# Altium PCB nova34.PcbDoc (part 1 of 4)
Units mm, origin at the board's own origin, x right, y up, seen from the top; angles counter-clockwise.
Board outline 34.12 x 31.07 mm, 8 copper layers (Top Layer, Int1 (Sign), Int2 (GND), Int3 (Sign), Int4 (Sign), Int5 (PWR), Int6 (Sign), Bottom Layer), stack 1.535 mm thick; 261 components, 284 nets, 1188 pads, 341 vias.
Unrouted connection lines stored in the file: 171.
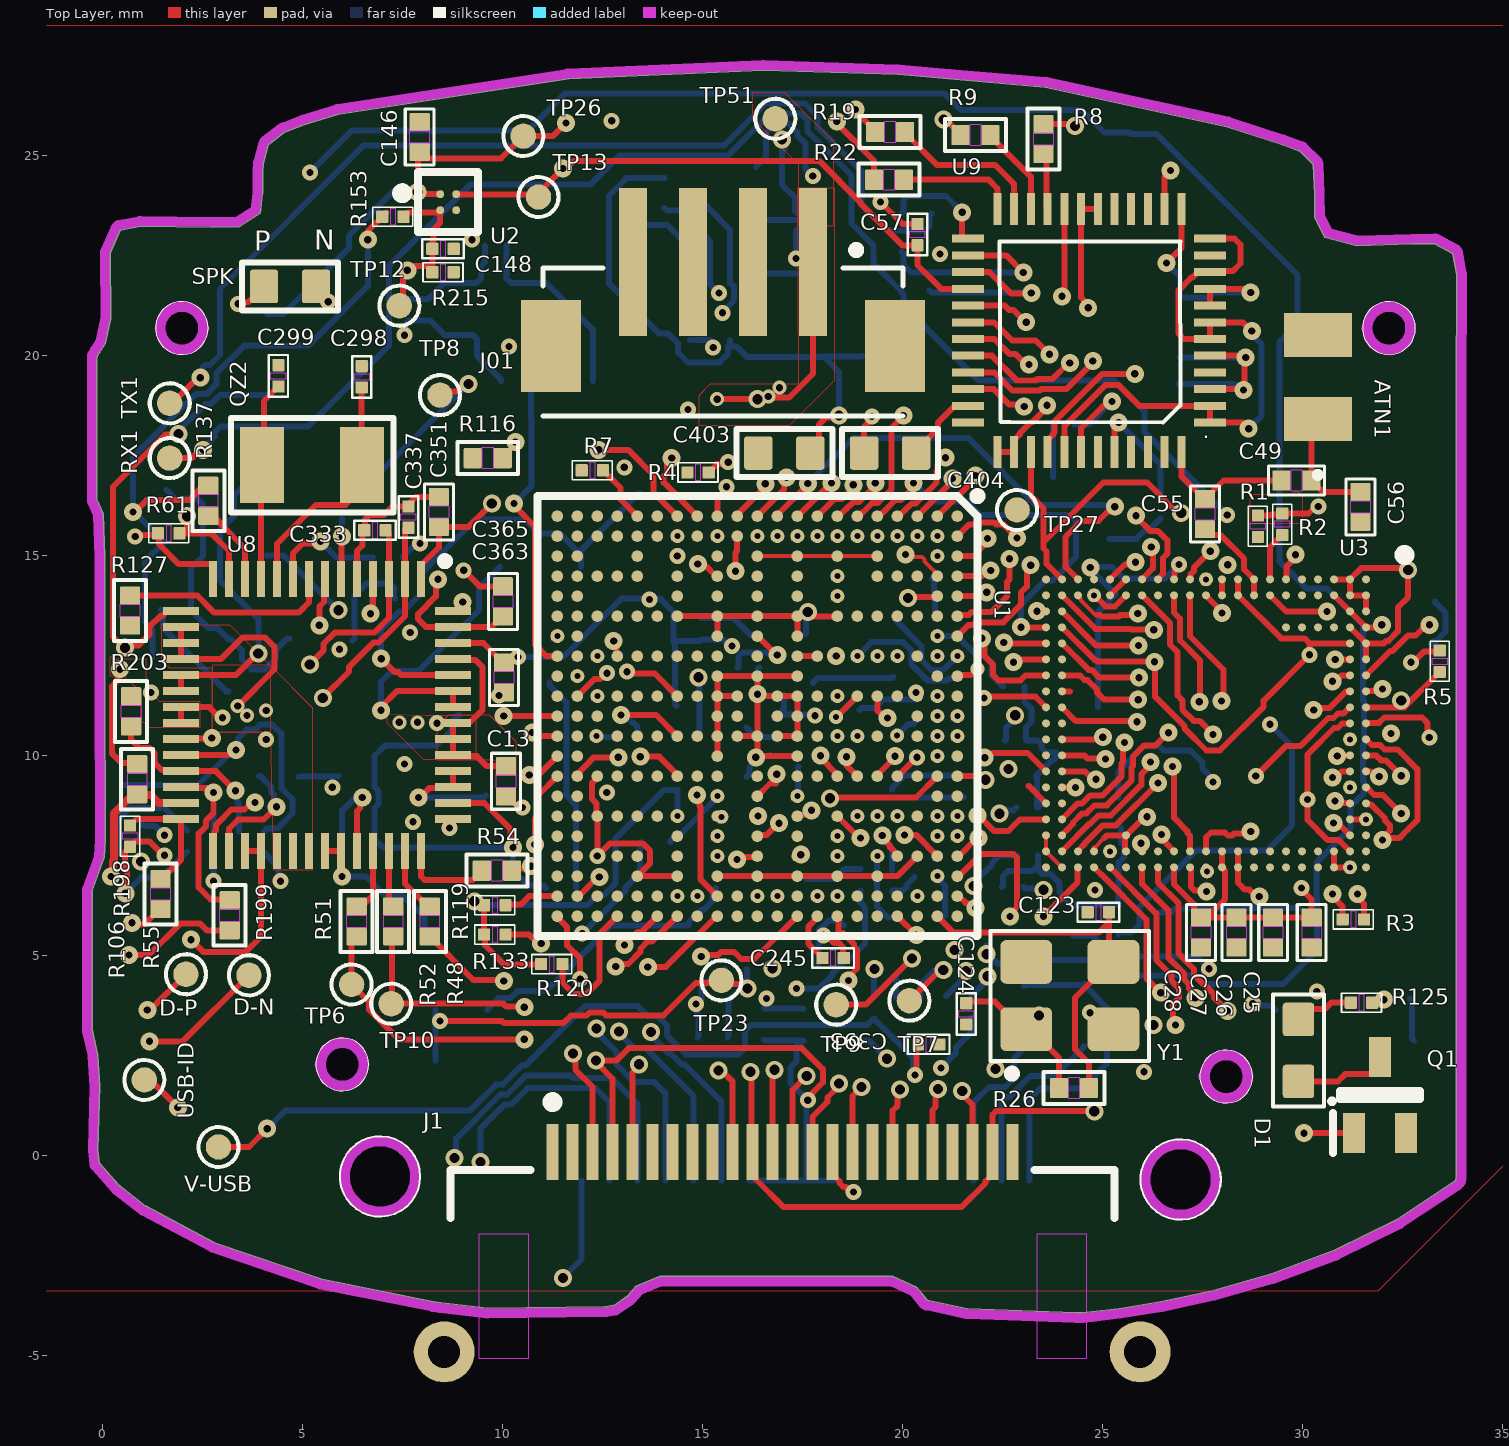
[diagram p0: Top Layer view]
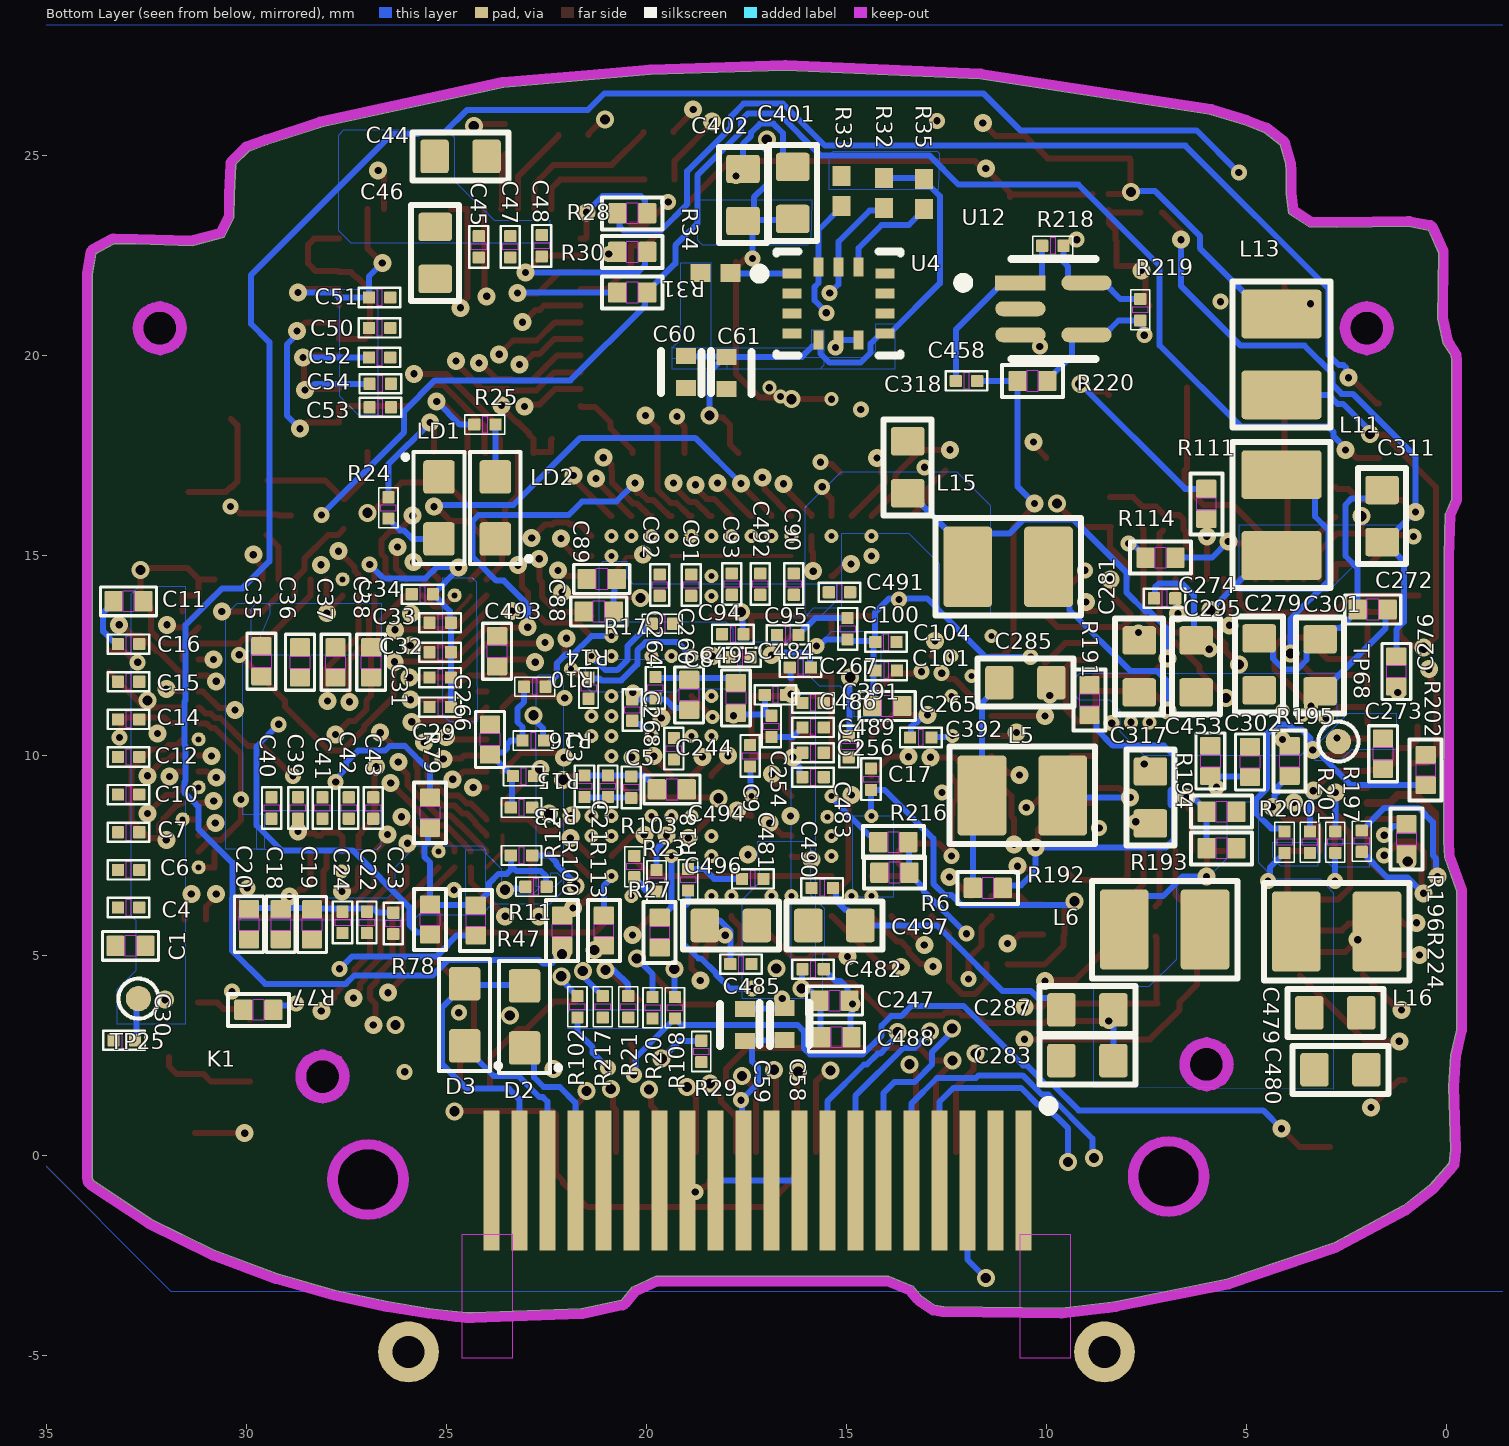
[diagram p1: Bottom Layer view, seen from below]
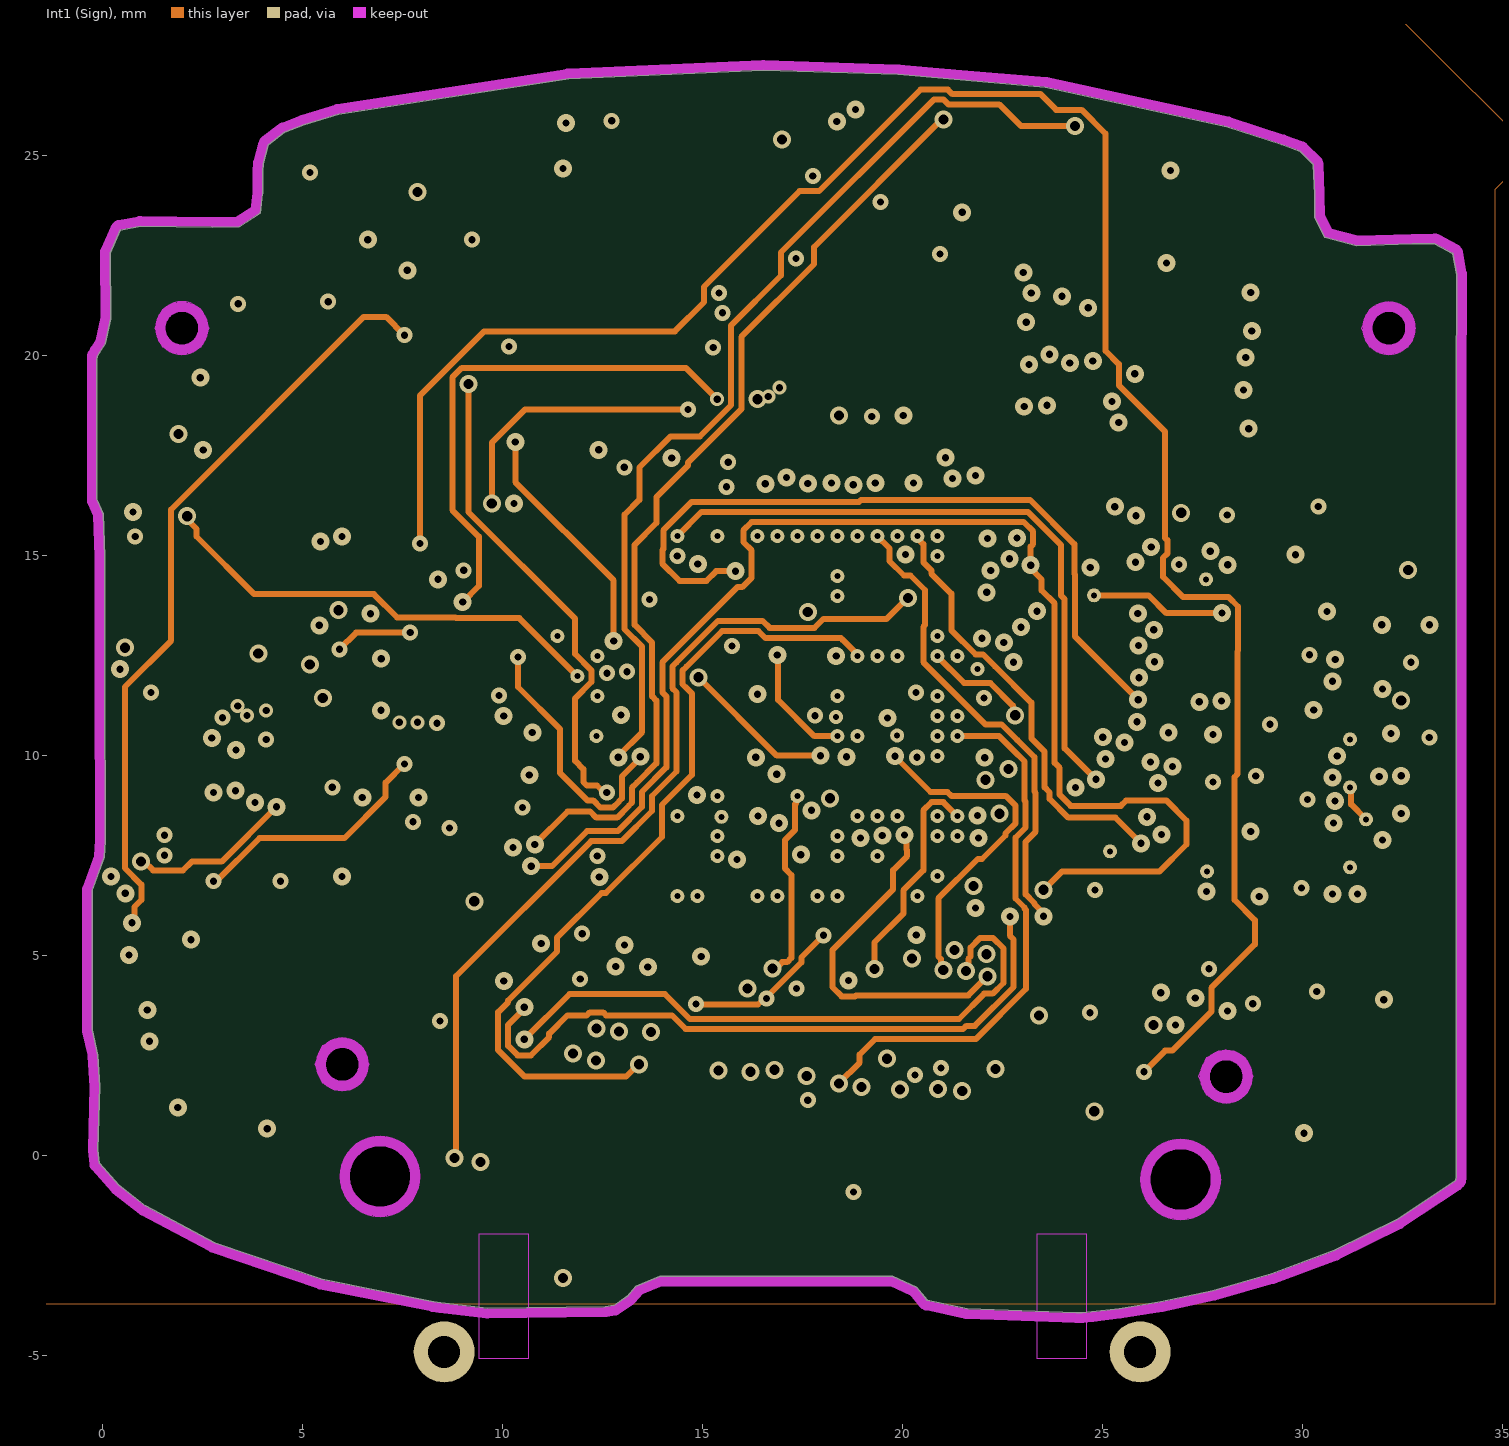
[diagram p2: Int1 (Sign)]
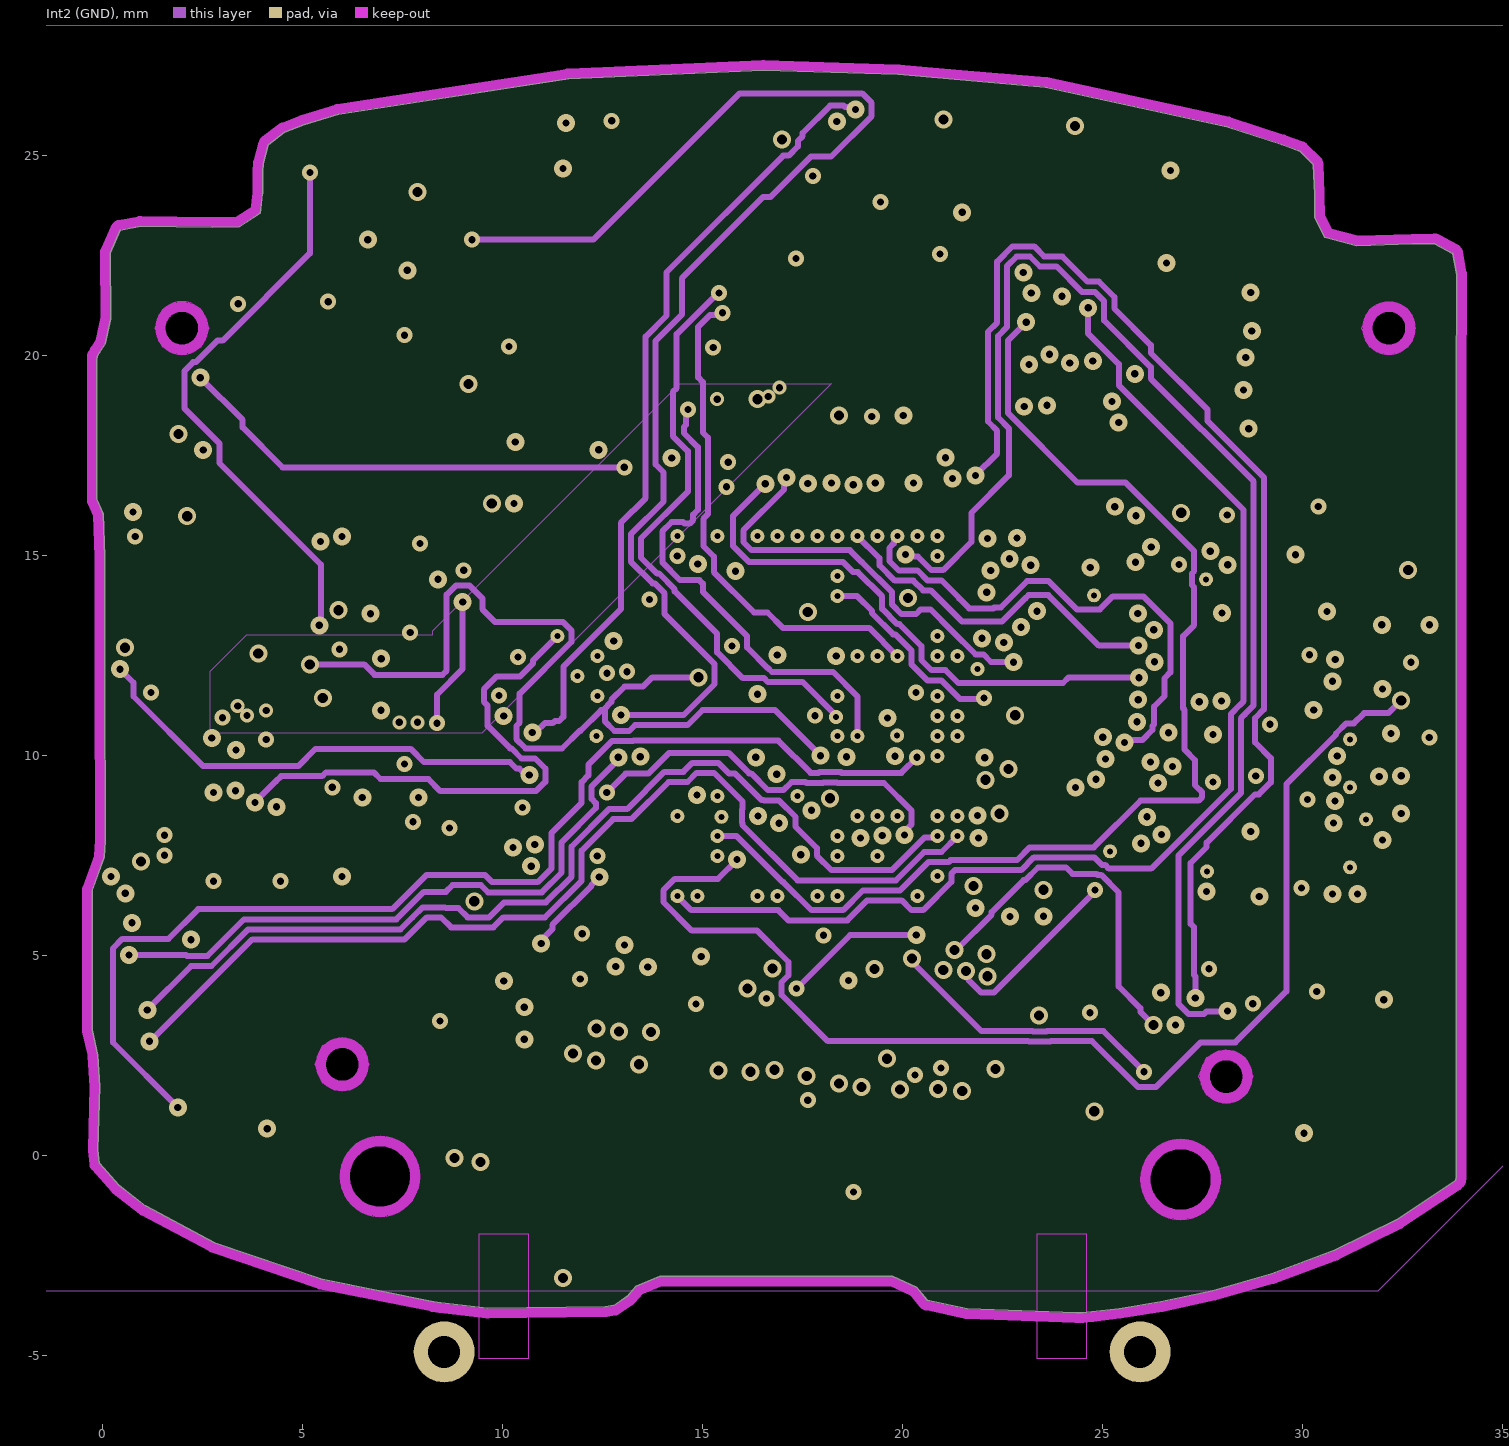
[diagram p3: Int2 (GND)]
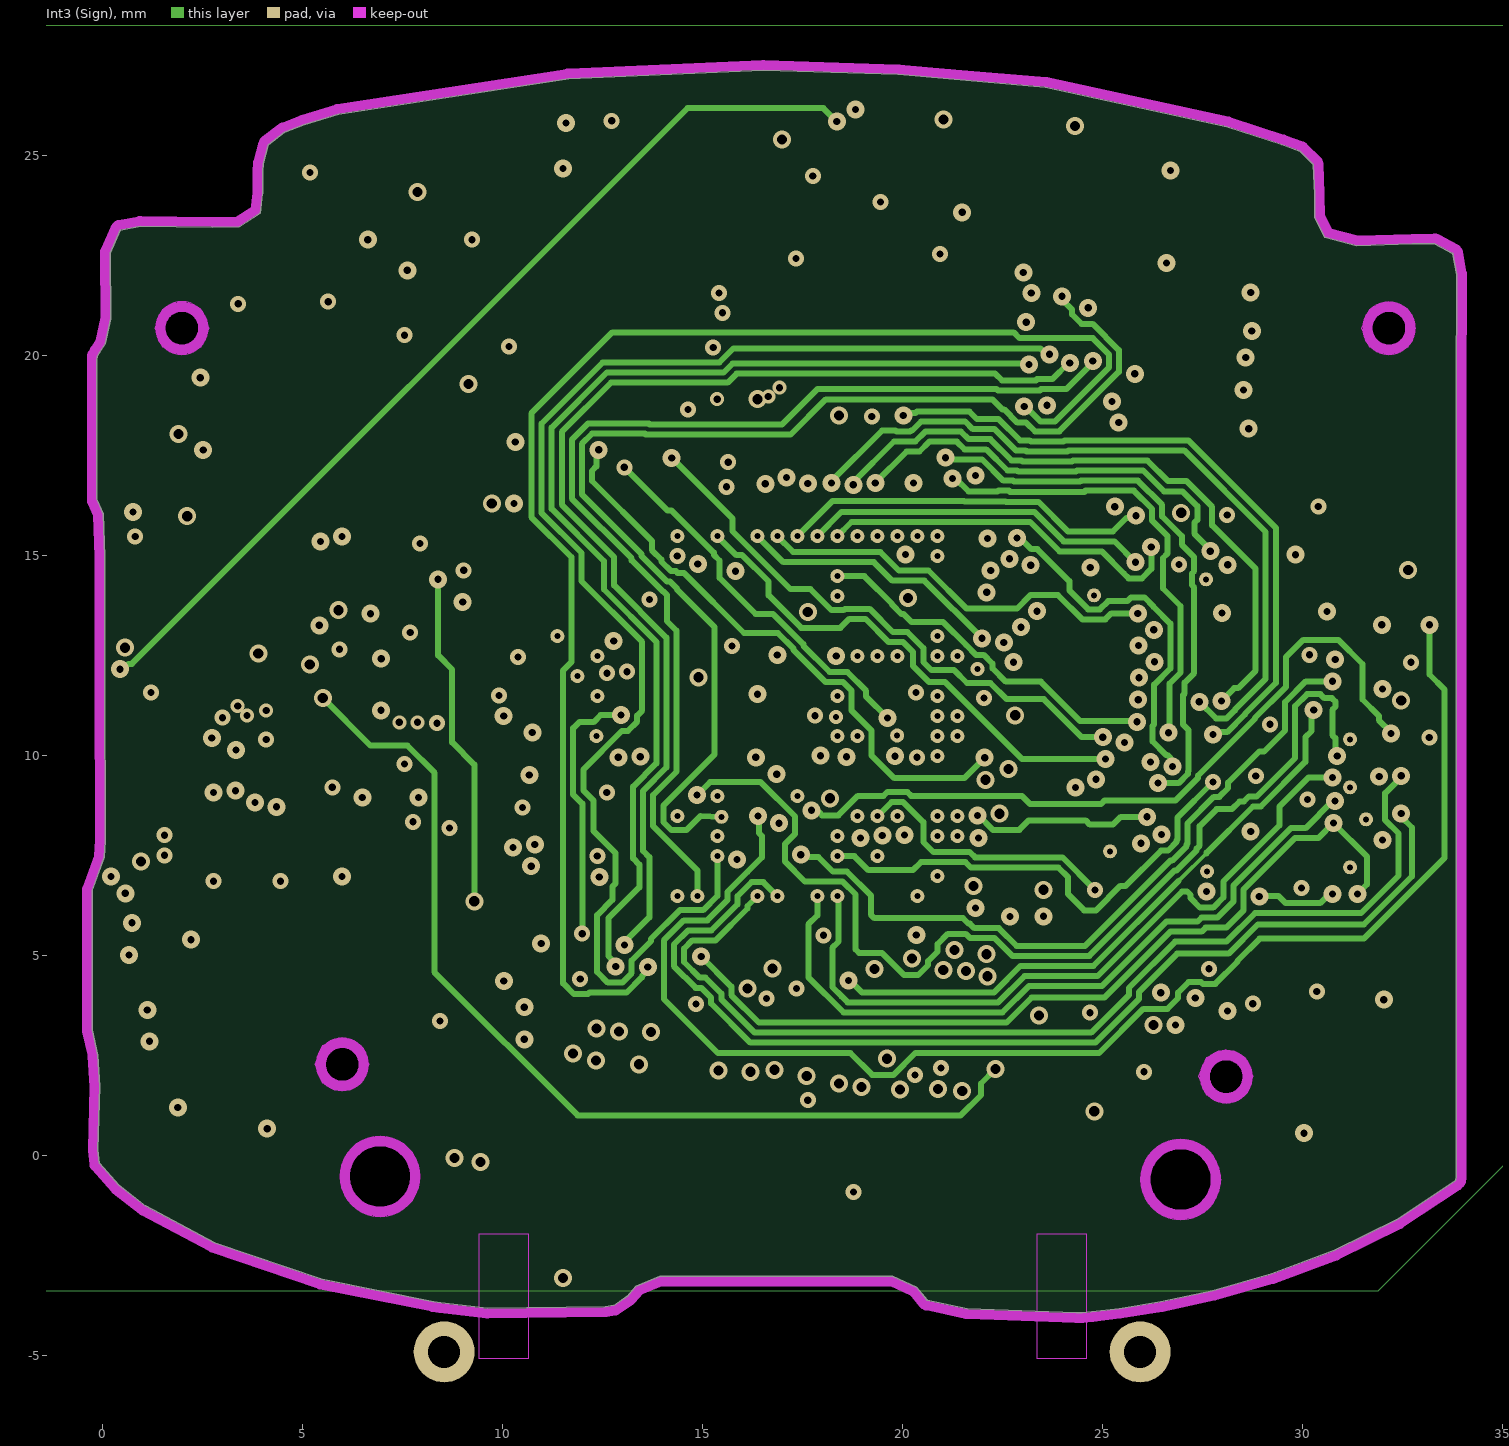
[diagram p4: Int3 (Sign)]
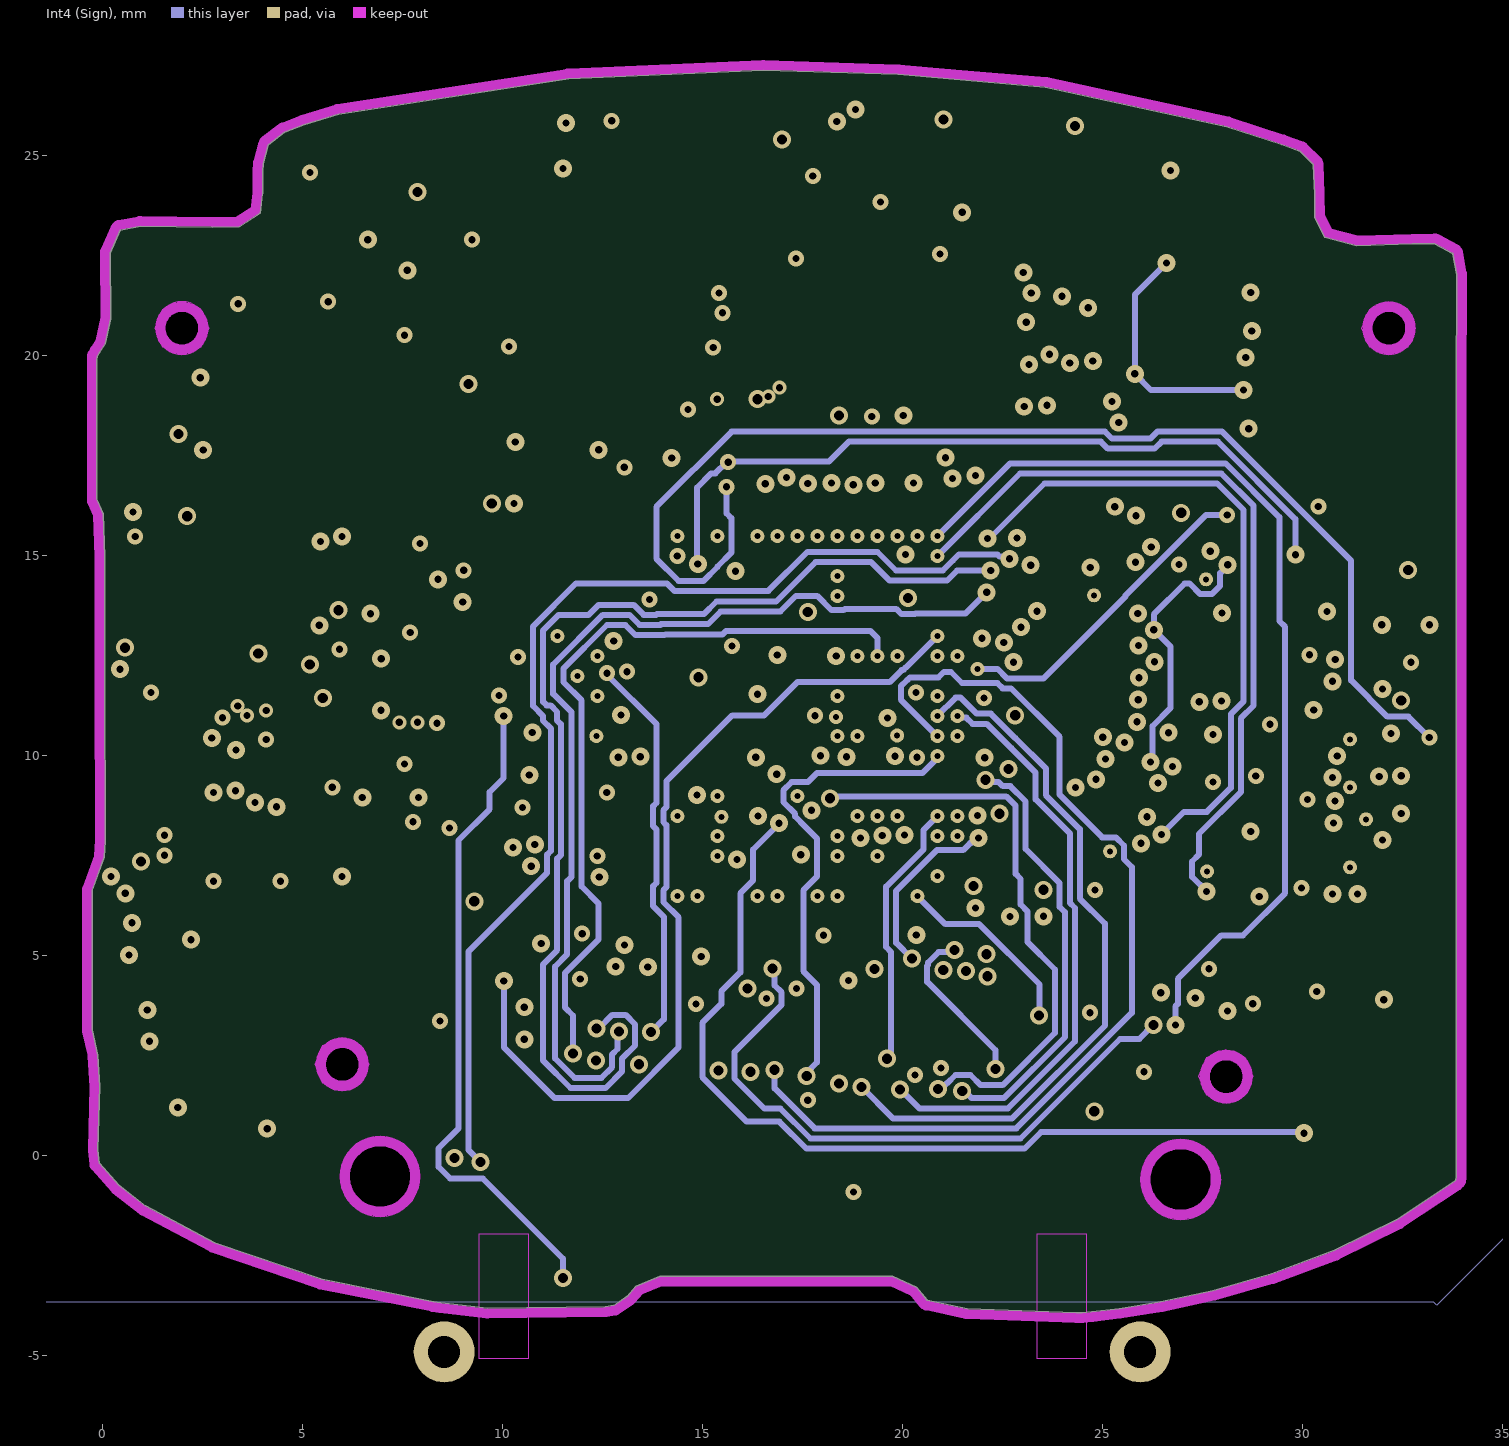
[diagram p5: Int4 (Sign)]